# Altium PCB FC_RGB_Sion2.PcbDoc (continued)
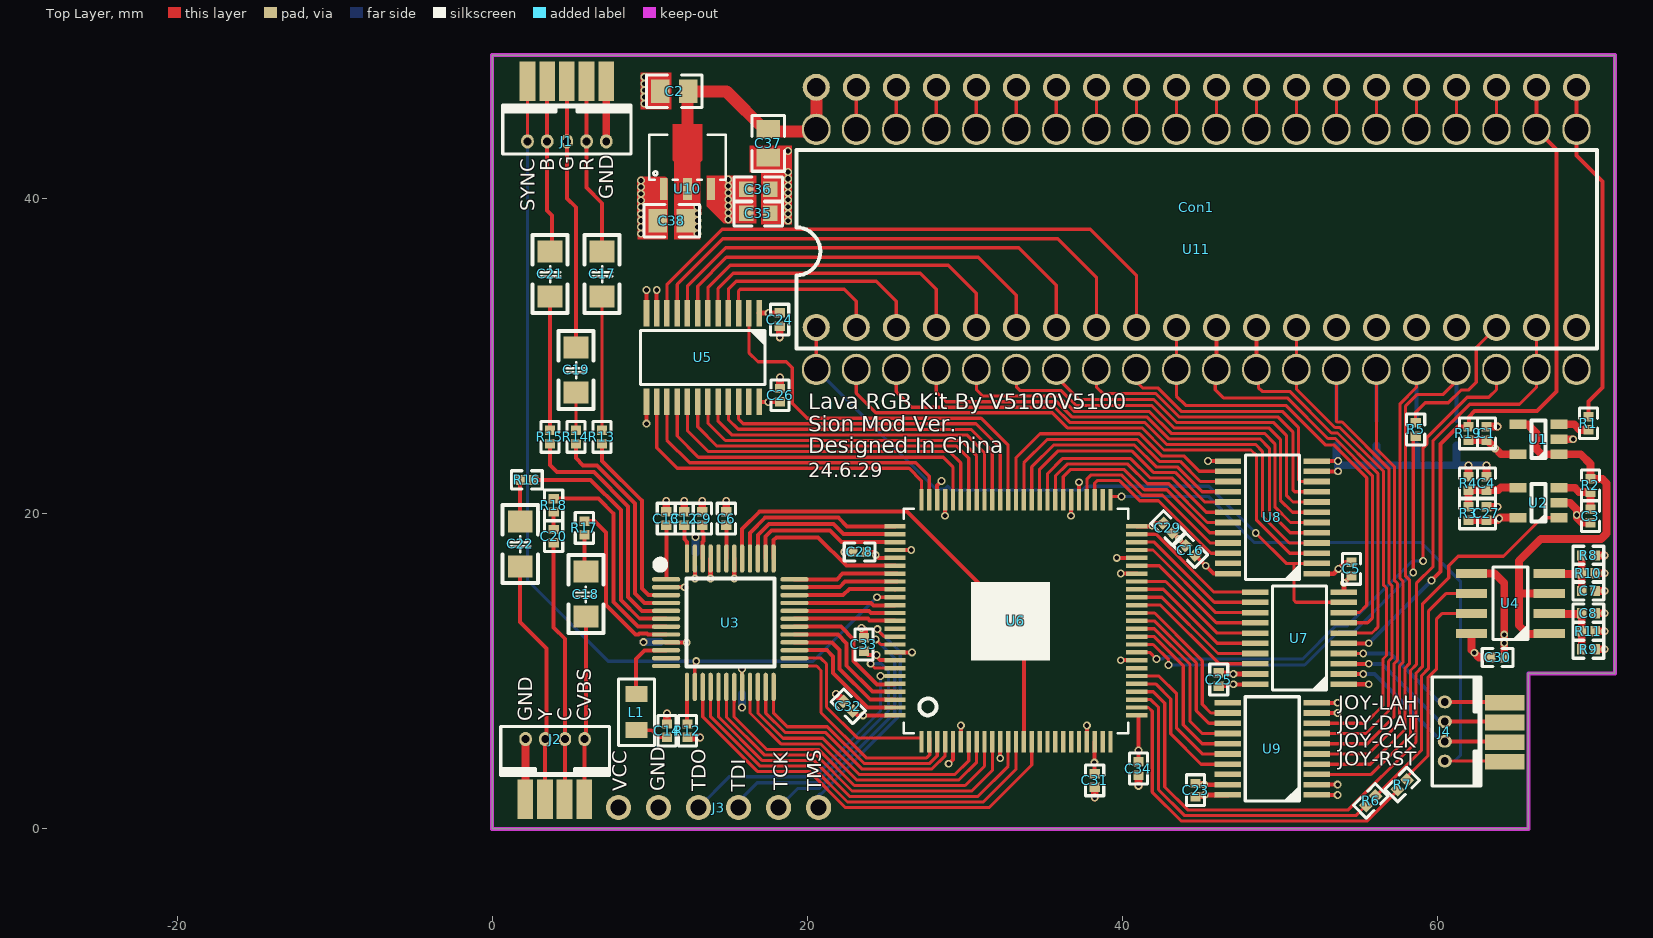
[diagram p0: Top Layer view]
## Part data
C1 C2 C3 C4 C7 C8 C10 C16 C23 C24 C25 C35 C36 C37 C38: library part CAP
C17 C18 C19 C21 C22: library part C1206, "No Description Available", Manufacturer_Part_Number=C0603X394K4RACAUTO, Mfr_Name=Kemet, Copyright="Copyright (C) 2022 Ultra Librarian. All rights reserved.", RefDes=RefDes, Type=DEV
J1: library part CN5
J2 J4: library part CN4
L1: library part L0805
R20 R21 R22 R23: library part R0603, "No Description Available", Manufacturer_Part_Number=RC0603FR-07200RL, Mfr_Name=Yageo, Copyright="Copyright (C) 2022 Ultra Librarian. All rights reserved.", RefDes=RefDes, Type=DEV
U1: "High Speed OpAmp"
U2: "High Speed Comparator"
U3: "No Description Available", Manufacturer_Part_Number=ADV7123JSTZ330, Mfr_Name="Analog Devices Inc", Copyright="Copyright (C) 2022 Ultra Librarian. All rights reserved.", RefDes=RefDes, Type=DEV
U4: "4.5ns Dual High-Speed Comparator"
U5 U8: library part 74LVC4245, "LJ245A", Mfr_Name="Texas Instruments", Copyright="Copyright (C) 2022 Ultra Librarian. All rights reserved.", Manufacturer_Part_Number=SN74LVC4245APWR, RefDes=RefDes, Type=DEV
U6: library part LCMXO2-1200HC, "No Description Available", Mfr_Name=Lattice, Copyright="Copyright (C) 2023 Ultra Librarian. All rights reserved.", Manufacturer_Part_Number=LCMXO2-1200HC-4TG100I, RefDes=RefDes, Type=DEV
U7 U9: library part 74LVC541, "LC541A", Mfr_Name="Texas Instruments", Copyright="Copyright (C) 2022 Ultra Librarian. All rights reserved.", Manufacturer_Part_Number=SN74LVC541APW, RefDes=RefDes, Type=DEV
U10: "No Description Available", Mfr_Name=Microchip, Copyright="Copyright (C) 2022 Ultra Librarian. All rights reserved.", Manufacturer_Part_Number=MCP1703T-3302E/MB, RefDes=RefDes, Type=DEV
U11: library part RP2C02, "NES PPU RP2C02"

## Free pads (board coordinates)
  rect 1x2.5 smd: B30(2.096,1.88) B30(2.239,47.449) B30(3.346,1.88) B30(3.489,47.449) B30(4.596,1.88) B30(4.739,47.449) B30(5.846,1.88) B30(5.989,47.449) B30(7.239,47.449)
  rect 2.5x1 smd: B30(64.275,4.25) B30(64.275,5.5) B30(64.275,6.75) B30(64.275,8)

## Via types
v1: diameter 0.5, hole 0.3, Top Layer to Bottom Layer, tented both sides, 132 vias

## Nets (pads, with @x,y where several pads share a name; then routed paths per layer and width w, separated by ;. In a path a pad name is that pad's centre, name@x,y a point inside that pad or via, vN(x,y) a via of type N, cw(c..) or ccw(c..) an arc to the next point about the centre after c; other vN are vias at no path point)
+3.3: C16.2 C23.2 C25.1 C26.1 C27.1 C28.1 C29.1 C30.1 C31.1 C32.1 C33.1 C34.1 C35.1 C36.1 J3.1 R3.2 R8.2 R9.2 U2.5 U4.8 U5.24 U6.5 U6.11 U6.23 U6.26 U6.46 U6.50 U6.55 U6.73 U6.80 U6.93 U6.100 U7.20 U8.24 U9.20 U10.3 | length 60.3
  Top Layer w0.254: 13.863,39.702 13.863,39.682 14.859,38.686 v1(14.986,38.686) v1@15.117,38.686 ; U10.3 13.892,40.005 13.716,39.829 13.716,39.575 14.732,38.559 15.24,38.559 ; 14.224,39.579 v1@15.117,38.686 ; 15.642,38.686 v1@15.117,38.686 ; U5.24@16.943,27.1 v1(17.525,27.1) C26.1 ; C32.1 23.175,7.2 v1(23.55,7.2) U6.100 ; C33.1 23.85,11.025 v1(24.401,11.025) 24.401,10.926 24.4,10.925 24.625,10.7 U6.93 ; C28.1 24.15,17.575 24.525,17.2 U6.80 ; U6.73 28.25,21.8 v1(28.525,22.075) ; v1(28.975,4.125) 29.25,4.4 U6.5 ; v1(32.25,4.475) U6.11 ; U6.55 v1(37.25,22) ; C31.1 U6.23 ; v1(39.65,17.2) U6.46 ; U6.26 41.025,7.102 C34.1 ; U6.50 41.875,19.2 42.076,19.401 C29.1 ; C16.2@44.551,17.449 C16.2 45.805,16.195 U8.24 ; C25.1 46.577,9.05 46.702,9.175 v1(47.05,9.175) U7.20
  Top Layer w0.3: C23.2 45.102,2.025 v1(45.227,2.15) U9.20
  Top Layer w0.5: R3.2 63.836,19.597 63.988,19.75 U2.5 ; U4.8 62.179,11.346 v1(62.35,11.175) 62.65,10.875 C30.1 ; R9.2 v1(70.625,11.398) ; R8.2 v1(70.625,17.357)
  PWR w0.5: J3.1 10.245,3.575 21.675,3.575 24.325,6.225
  other v1: 38.225,4.2 41.025,4.975 45.3,16.7 24.35,17.375 41.9,19.25 63.925,19.7 14.986,39.109 14.986,39.533 14.986,39.956 14.986,40.379 14.986,40.803 14.986,41.226
+5: C1.1 C2.1 C5.2 C10.1 C11.2 C15.2 C24.1 C37.1 C38.1 Con1.40 R12.1 R19.2 U1.5 U3.9 U3.20 U3.47 U5.1 U8.1 U10.2 U11.40 | length 171.4
  Top Layer w0.254: U3.9 v1(12.347,11.834) ; v1(12.863,15.887) U3.47 ; U3.20 v1(15.863,10.138)
  Top Layer w0.3: U5.1 16.953,32.75 v1(17.55,32.75) C24.1 ; U8.1 53.42,16.195 v1(53.725,16.5) 54.15,16.925 C5.2
  Top Layer w0.5: R12.1 v1(13.2,5.8) ; v1(13.025,39.045) v1(13.025,39.468) ; R19.2 63.143,24.679 v1(63.671,24.15) 64.046,23.775 64.275,23.775 ; 64.324,23.777 U1.5
  Top Layer w0.762: 12.392,42.122 12.392,46.802 14.871,46.802 17.399,44.274 U11.40@20.574,44.274 ; U11.40@20.574,44.406 Con1.40
  PWR w0.5: v1(12.347,11.834) 12.866,12.353 ; v1(13.2,5.8) 13.2,7.475 v1(15.863,10.138) 13.648,12.353 12.866,12.353 ; v1(17.55,32.75) 14,32.75 13.025,33.725 ; v1(53.725,16.5) 61.375,24.15 v1(63.671,24.15) 65.875,24.15 70.45,28.725 70.45,41.425 40.025,41.425 39.098,42.352 13.977,42.352 13.025,41.4 v1(13.025,39.468) v1(13.025,39.045) v1(13.025,38.622) v1(13.025,38.198) v1(13.025,37.775) 13.025,33.725 ; 12.866,12.353 12.866,15.884 v1(12.863,15.887) 8.725,20.025 8.725,29.425 13.025,33.725
  Bottom Layer w0.254: C11.2 12.33,11.85 v1(12.347,11.834) ; v1(12.863,15.887) 12.9,15.924 C15.2 ; C10.1 v1(15.863,10.138)
/RST: Con1.22 R19.1 U7.5 U11.22 | length 45.4
  Top Layer w0.203: R19.1@61.976,25.405 R19.1@61.976,25.737
  Top Layer w0.254: U7.5 v1(55.65,11.775) ; v1(59.625,15.768) 60.198,16.341 60.198,24.423 61.304,25.529 R19.1 ; R19.1@62,25.6 62,26.15 62.375,26.525 66.318,26.525 67.564,27.771 67.564,43.136 66.294,44.406 Con1.22
  Bottom Layer w0.254: v1@55.704,11.846 55.632,11.775 v1(59.625,15.768)
BOUT: C21.2 J1.4 pad.B30@3.489,47.449 | length 11.1
  Top Layer w0.254: pad.B30@3.489,47.449 J1.4 3.489,39.261 3.81,38.94 ; C21.2@3.802,36.47 3.802,38.94
COUT: C20.1 J2.3 pad.B30@4.596,1.88 | length 15.7
  Top Layer w0.254: C20.1 3.9,12.775 4.636,12.039 pad.B30@4.636,2.793
CPU_A0: Con1.12 U7.6 U11.12 | length 25.4
  Top Layer w0.2: U11.12@48.641,28.787 48.641,28.009 48.879,27.771 50.629,27.771 53.275,25.125 53.665,25.125 56.225,22.565 56.225,12.8 55.85,12.425 U7.6
  Top Layer w0.254: U11.12@48.514,29.166 Con1.12
CPU_A0_3V3: U6.45 U7.14 | length 9
  Top Layer w0.203: U6.45 42.35,16.7 45.975,13.075 U7.14
CPU_A1: Con1.11 U7.7 U11.11 | length 27.3
  Top Layer w0.2: U11.11@45.974,28.785 45.598,28.785 45.9,28.483 45.9,27.875 46.42,27.355 50.474,27.355 53.054,24.775 53.52,24.775 55.875,22.42 55.875,13.375 55.575,13.075 U7.7
  Top Layer w0.254: U11.11@45.974,29.166 Con1.11
CPU_A1_3V3: U6.47 U7.13 | length 9.4
  Top Layer w0.203: U6.47 41.95,17.7 45.925,13.725 U7.13 U7.13@48.725,13.725
CPU_A2: Con1.10 U7.8 U11.10 | length 28.3
  Top Layer w0.2: Con1.10 43.434,27.466 44.018,26.882 50.376,26.882 52.882,24.375 53.425,24.375 55.525,22.275 55.525,14.2 55.057,13.732 U7.8@54.069,13.732
CPU_A2_3V3: U6.48 U7.12 | length 9.1
  Top Layer w0.203: U6.48 42.025,18.2 45.85,14.375 U7.12
CPU_R/W: Con1.1 U7.9 U8.2 U11.1 | length 45.7
  Top Layer w0.203: U11.1@20.574,29.166 Con1.1 ; v1(48.475,18.775) 50.405,16.845 50.9,16.845 ; U8.2 50.9,16.845 ; U7.9@54.35,14.375 U7.9 51.025,14.375 50.9,14.5 50.9,16.845
  Bottom Layer w0.203: U11.1 28.162,21.573 28.733,21.573 28.909,21.75 29.161,21.498 37.458,21.498 37.709,21.75 45.5,21.75 v1(48.475,18.775)
CPU_R/W_3V3: U6.49 U7.11 | length 9
  Top Layer w0.2: U6.49 42.15,18.7 45.825,15.025 U7.11
CPU_SIDE_D0_3V3: U5.21 U6.66 | length 21.6
  Top Layer w0.203: U5.21 14.992,25.982 15.617,25.358 25.908,25.358 25.909,25.356 30.394,25.356 31.75,24 U6.66@31.75,21.127
CPU_SIDE_D0_5V: Con1.2 U5.3 | length 10.9
  Top Layer w0.203: U5.3 15.642,34.145 15.747,34.249 22.349,34.249 23.114,33.484 Con1.2
CPU_SIDE_D1_3V3: U5.20 U6.67 | length 21.7
  Top Layer w0.203: U5.20 14.342,25.873 15.212,25.003 30.122,25.003 31.25,23.875 U6.67@31.25,21.127
CPU_SIDE_D1_5V: Con1.3 U5.4 | length 14.6
  Top Layer w0.203: U5.4 14.992,34.254 15.493,34.754 24.384,34.754 25.654,33.484 Con1.3
CPU_SIDE_D2_3V3: U5.19 U6.68 | length 21.8
  Top Layer w0.203: U5.19 13.692,25.761 14.803,24.65 29.775,24.65 30.75,23.675 U6.68@30.75,21.127
CPU_SIDE_D2_5V: Con1.4 U5.5 | length 18.6
  Top Layer w0.203: U5.5 14.342,34.305 15.299,35.262 27.178,35.262 28.194,34.246 Con1.4
CPU_SIDE_D3_3V3: U5.18 U6.69 | length 22
  Top Layer w0.203: U5.18 13.042,25.522 14.268,24.297 29.478,24.297 30.25,23.525 U6.69@30.25,21.127
CPU_SIDE_D3_5V: Con1.5 U5.6 | length 22.1
  Top Layer w0.203: U5.6 13.692,34.351 15.112,35.77 28.956,35.77 30.734,33.992 Con1.5
CPU_SIDE_D4_3V3: U5.17 U6.70 | length 22.1
  Top Layer w0.203: U5.17 12.392,25.283 13.732,23.943 29.032,23.943 29.75,23.225 U6.70@29.75,21.127
CPU_SIDE_D4_5V: Con1.6 U5.7 | length 25.7
  Top Layer w0.203: U5.7 13.042,34.451 14.87,36.278 30.861,36.278 33.274,33.865 Con1.6
CPU_SIDE_D5_3V3: U5.16 U6.71 | length 22.3
  Top Layer w0.203: U5.16 11.742,24.936 13.088,23.59 28.635,23.59 29.25,22.975 U6.71@29.25,21.127
CPU_SIDE_D5_5V: Con1.7 U5.8 | length 29.8
  Top Layer w0.203: U5.8 12.392,34.448 14.827,36.882 18.288,36.882 33.432,36.882 35.814,34.5 Con1.7
CPU_SIDE_D6_3V3: U5.15 U6.74 | length 21.3
  Top Layer w0.203: U5.15 11.092,24.678 12.533,23.237 26.888,23.237 27.75,22.375 U6.74@27.75,21.127
CPU_SIDE_D6_5V: Con1.8 U5.9 | length 33.8
  Top Layer w0.203: U5.9 11.742,34.56 14.639,37.457 18.288,37.457 35.905,37.457 38.354,35.008 Con1.8
CPU_SIDE_D7_3V3: U5.14 U6.75 | length 21.6
  Top Layer w0.203: U5.14 10.442,24.185 11.743,22.884 26.466,22.884 27.25,22.1 U6.75@27.25,21.127
CPU_SIDE_D7_5V: Con1.9 U5.10 | length 37.6
  Top Layer w0.203: U5.10 11.092,34.545 14.604,38.056 18.288,38.056 37.973,38.056 40.894,35.135 Con1.9
CPU_SIDE_DIR: U5.2 U6.64 | length 26
  Top Layer w0.203: U5.2 16.292,30.233 16.875,29.65 18.675,29.65 19.05,29.275 19.05,27.009 19.995,26.064 26.201,26.064 26.202,26.063 31.037,26.063 32.75,24.35 U6.64@32.75,21.127
CPU_SIDE_OE: U5.22 U6.65 | length 21.5
  Top Layer w0.203: U5.22 15.642,26.006 15.938,25.711 26.054,25.711 26.056,25.709 30.716,25.709 32.25,24.175 U6.65@32.25,21.127
EXT0: R23.2 U9.7 U11.14 | length 31.9
  Top Layer w0.2: U9.7 55.475,6.05 56.9,7.475 56.9,10.63 57.125,10.855 57.125,15.433 56.925,15.633 56.925,22.855 53.955,25.825 53.641,25.825 53.594,25.872 U11.14@53.594,29.166
  Bottom Layer w0.254: R23.2 U11.14 U11.14@53.594,29.166
EXT0_3V3: U6.38 U9.13 | length 10.2
  Top Layer w0.203: U6.38 42.032,13.2 44.7,10.532 44.7,7.5 45.5,6.7 U9.13
EXT1: R22.2 U9.6 U11.15 | length 31.6
  Top Layer w0.2: U9.6 55.55,5.4 57.25,7.1 57.25,10.485 57.475,10.71 57.475,15.578 57.275,15.778 57.275,23 56.134,24.141 U11.15@56.134,29.166
  Bottom Layer w0.254: R22.2 U11.15 U11.15@56.134,29.166
EXT1_3V3: U6.37 U9.14 | length 10.6
  Top Layer w0.203: U6.37 42.032,12.7 44.3,10.432 44.3,6.825 45.075,6.05 U9.14
EXT2: R21.2 U9.5 U11.16 | length 32.7
  Top Layer w0.2: U9.5 55.625,4.75 57.6,6.725 57.6,10.34 57.825,10.565 57.825,15.723 57.625,15.923 57.625,26.963 58.674,28.012 U11.16 58.674,29.166 U11.16@58.674,28.912
  Bottom Layer w0.254: R21.2 U11.16 U11.16@58.674,29.166
EXT2_3V3: U6.36 U9.15 | length 10.8
  Top Layer w0.203: U6.36 42.033,12.2 43.875,10.358 43.875,6.6 45.075,5.4 U9.15
EXT3: R20.2 U9.4 U11.17 | length 35.2
  Top Layer w0.2: U9.4 55.75,4.1 57.95,6.3 57.95,10.195 58.225,10.47 58.225,15.818 57.975,16.068 57.975,26.818 58.732,27.575 60.383,27.575 61.214,28.406 U11.17@61.214,29.166
  Bottom Layer w0.254: R20.2 U11.17 U11.17@61.214,29.166
EXT3_3V3: U6.31 U9.16 | length 9.1
  Top Layer w0.203: U6.31 42.325,9.7 43.45,8.575 43.45,6.375 45.075,4.75 U9.16
EXT4: R6.1 U6.28 | length 20.9
  Top Layer w0.2: U6.28 41.816,8.2 42.3,7.716 42.3,2.484 43.934,0.85 54.85,0.85 R6.1
FC_RST: J4.1 pad.B30@64.275,4.25 U6.51 | length 41
  Top Layer w0.203: U6.51@39.25,21.127 39.277,21.1 v1(39.95,21.1) ; J4.1@60.637,4.296 pad.B30@64.979,4.296
  Bottom Layer w0.203: v1(39.95,21.1) 45.45,21.1 47.973,18.577 47.973,18.567 48.366,18.175 58.986,18.175 61.475,15.686 61.475,4.684 61.091,4.3 J4.1
GND: C1.2 C2.2 C3.1 C4.1 C5.1 C6.1 C7.1 C8.1 C9.1 C10.2 C11.1 C12.1 C13.2 C14.1 C15.1 C16.1 C23.1 C24.2 C25.2 C26.2 C27.2 C28.2 C29.2 C30.2 C31.2 C32.2 C33.2 C34.2 C35.2 C36.2 C37.2 C38.2 Con1.14 Con1.15 Con1.16 Con1.17 Con1.20 J1.1 J2.1 J3.2 pad.B30@2.096,1.88 pad.B30@7.239,47.449 R4.1 R10.1 R11.1 R20.1 R21.1 R22.1 R23.1 U1.2 U2.2 U3.2 U3.42 U3.45 U4.5 U5.11 U5.12 U5.13 U6.6 U6.22 U6.33 U6.44 U6.56 U6.72 U6.79 U6.92 U7.1 U7.10 U7.19 U8.11 U8.12 U8.13 U9.1 U9.2 U9.9 U9.10 U9.19 U10.1 U11.20 | length 102.2
  Top Layer w0.254: v1(9.792,25.717) U5.13 ; U5.12 v1(9.792,34.2) ; U5.11 v1(10.442,34.2) ; U3.2 v1(12.216,15.334) ; U6.92 v1(26.65,11.2) ; U6.79 v1(26.6,17.7) ; v1(28.75,19.875) U6.72 ; U6.6 v1(29.75,6.55) ; v1(36.75,19.875) U6.56 ; U6.22 v1(37.75,6.55) ; v1(39.9,10.7) U6.33 ; v1(39.9,16.2) U6.44 ; v1(45.445,23.345) U8.13 ; U9.1 v1(53.675,2.15) ; U9.2 v1(53.675,2.8) ; U9.9 v1(53.675,7.35) ; U9.10 v1(53.675,8) ; U8.11 v1(53.7,22.695) ; U8.12 v1(53.7,23.345)
  Top Layer w0.3: v1(13.863,15.9) U3.45 ; v1(15.363,15.9) U3.42 ; C29.2 v1(43.613,18.388) C16.1 ; C23.1 45.125,2.875 v1(45.2,2.8) U9.19 ; C25.2 46.6,9.9 46.675,9.825 v1(47.05,9.825) U7.19 ; U7.1 v1(55.65,9.175) ; U7.10 v1(54.069,15.594) C5.1
  Top Layer w0.5: pad.B30@2.116,1.65 J2.1 ; J1.1 pad.B30@7.239,47.449 ; v1(9.45,39.044) v1(9.45,39.467) v1(9.45,41.161) ; v1(9.45,40.737) v1(9.45,41.161) ; 9.725,39.4 9.725,41.172 U10.1@10.922,41.172 ; 10.55,39.35 10.625,39.425 ; C13.2 v1(11.049,20.825) ; C14.1 v1(11.1,7.325) ; C12.1 v1(12.192,20.825) ; C9.1 v1(13.335,20.825) ; C6.1 v1(14.859,20.825) ; v1(18.25,31.2) C24.2 ; C26.2 v1(18.275,28.65) ; v1(21.825,8.55) C32.2 ; v1(22.35,17.575) C28.2 ; v1(23.45,12.75) 23.6,12.6 C33.2 ; v1(38.25,1.975) C31.2 ; v1(41.025,2.725) C34.2 ; R4.1 v1(61.976,23.075) ; U4.5 63.636,16.214 64.25,15.6 v1(64.25,12.325) v1(64.25,11.8) C30.2 ; C27.2 v1(63.822,20.447) ; C4.1 v1(63.119,23.075) ; C1.2 v1(63.823,25.527) ; U2.2 68.425,20.7 68.85,20.275 v1(68.85,19.925) 68.85,19.75 69.175,19.425 C3.1 ; U1.2 v1(68.623,24.727) ; R11.1 v1(70.625,12.541) ; C8.1 v1(70.625,13.684) ; C7.1 v1(70.625,15.103) ; R10.1 v1(70.625,16.224) ; v1(9.45,41.161) 9.736,41.161 10.28,40.617 10.367,40.617 ; 10.367,40.617 U10.1@10.922,41.172 ; 10.367,40.617 10.625,40.617 ; 10.367,40.617 10.367,39.617 10.15,39.4 10.15,40.4 10.367,40.617 ; 10.625,39.425 10.892,39.692 ; 10.625,39.425 10.625,40.35 ; 10.625,40.35 10.625,40.617 ; 10.625,40.35 U10.1 ; 10.625,40.35 10.51,40.235 C38.2 10.892,38.982 10.892,39.692 ; 10.625,40.617 U10.1 ; 10.892,39.692 10.922,39.722 U10.1@10.922,40.647 ; 10.892,39.692 U10.1 ; U10.1 U10.1@10.922,40.647 ; U10.1@10.922,40.647 U10.1@10.922,41.172
  Bottom Layer w0.5: v1(9.6,11.85) C11.1 ; C15.1 v1(12.9,18.525) ; v1(15.851,7.7) 15.851,8.563 C10.2 ; R23.1 53.594,23.406 v1@53.7,23.3 ; v1(53.7,22.695) v1@53.7,23.3 ; v1(53.7,23.345) v1@53.7,23.3 ; R22.1 56.134,23.091 56.15,23.075 ; R21.1 58.674,23.076 58.675,23.075 ; R20.1 61.214,23.114 61.175,23.075 ; v1(63.119,23.075) v1(61.976,23.075) 61.175,23.075 ; v1@53.7,23.3 53.925,23.075 56.15,23.075 ; 56.15,23.075 58.675,23.075 ; 58.675,23.075 61.175,23.075
  other v1: 9.45,37.774 9.45,38.198 18.775,38.6 9.45,38.621 18.775,39.043 18.775,39.485 9.45,39.891 18.775,39.927 9.45,40.314 18.775,40.37 18.775,40.812 18.775,41.255 18.776,41.277 18.776,41.702 18.775,43.025 9.65,46.032 9.65,46.455 9.65,46.878 9.65,47.302 9.65,47.725
GOUT: C19.2 J1.3 pad.B30@4.739,47.449 | length 17.1
  Top Layer w0.254: pad.B30@4.739,47.449 J1.3 4.739,40.023 5.334,39.428 ; C19.2 5.326,39.428
JOY_CLK: J4.2 pad.B30@64.275,5.5 U7.2 | length 12.2
  Top Layer w0.254: U7.2 v1(55.3,9.825) ; J4.2@60.637,5.546 pad.B30@64.904,5.546
  Bottom Layer w0.254: v1(55.3,9.825) 56,9.825 J4.2@60.279,5.546
JOY_CLK_3V3: U6.40 U7.18 | length 9
  Top Layer w0.203: U6.40 42.425,14.2 46.15,10.475 U7.18
JOY_DATA: J4.3 pad.B30@64.275,6.75 U7.3 | length 11.8
  Top Layer w0.254: U7.3 v1(55.65,10.475) ; J4.3@60.637,6.796 pad.B30@64.854,6.796
  Bottom Layer w0.254: v1(55.65,10.475) 56.475,10.475 J4.3@60.154,6.796
JOY_DATA_3V3: U6.41 U7.17 | length 9
  Top Layer w0.203: U6.41 42.5,14.7 46.075,11.125 U7.17
JOY_LATCH: J4.4 pad.B30@64.275,8 U7.4 | length 11.5
  Top Layer w0.203: U7.4 v1(55.3,11.125)
  Top Layer w0.254: J4.4@60.637,8.046 pad.B30@64.829,8.046
  Bottom Layer w0.254: v1(55.3,11.125) 57.025,11.125 J4.4@60.104,8.046
JOY_LATCH_3V3: U6.42 U7.16 | length 8.9
  Top Layer w0.203: U6.42 42.6,15.2 46.025,11.775 U7.16
NetC3_2: C3.2 R2.1 U2.3 | length 3.2
  Top Layer w0.5: U2.3 68.73,21.65 69.005,21.375 R2.1 C3.2@69.723,20.275
NetC4_2: C4.2 R3.1 R4.2 U2.4 | length 4.3
  Top Layer w0.5: R3.1 R4.2 C4.2 63.869,21.502 64.04,21.673 65.098,21.673 U2.4
NetC6_2: C6.2 U3.43 | length 2.1
  Top Layer w0.254: U3.43 C6.2@14.863,19.307
NetC7_2: C7.2 R8.1 R10.2 U4.4 | length 5
  Top Layer w0.5: U4.4@66.472,16.184 R10.2@69.171,16.184 ; C7.2 R8.1@69.171,17.367
NetC8_2: C8.2 R9.1 R11.2 U4.2 | length 5
  Top Layer w0.5: U4.2@66.472,13.644 69.131,13.644 C8.2 R9.1
NetC9_2: C9.2 U3.46 | length 2.2
  Top Layer w0.254: U3.46 13.363,18.2 13.427,18.264 13.427,18.743 13.363,18.807 C9.2@13.363,19.307
NetC12_2: C12.2 U3.48 | length 2.2
  Top Layer w0.254: C12.2 12.192,18.383 12.363,18.212 U3.48
NetC13_1: C13.1 U3.1 | length 3.4
  Top Layer w0.254: U3.1@11.049,15.845 C13.1
NetC14_2: C14.2 L1.2 | length 2.1
  Top Layer w0.2: L1.2 10.118,6.257 10.575,5.8 C14.2
NetC17_1: C17.1 R13.2 | length 8.5
  Top Layer w0.203: R13.2 6.967,33.79 C17.1
NetC18_2: C18.2 R17.2 | length 2.4
  Top Layer w0.254: R17.2 5.85,16.425 C18.2
NetC19_1: C19.1 R14.2 | length 2.4
  Top Layer w0.203: R14.2 5.317,27.695 C19.1
NetC20_2: C20.2 R18.2 | length 1.1
  Top Layer w0.254: C20.2 R18.2
NetC21_1: C21.1 R15.2 | length 8.3
  Top Layer w0.254: R15.2@3.675,25.353 C21.1@3.675,33.673
NetC22_2: C22.2 R16.2 | length 2.6
  Top Layer w0.254: R16.2 1.775,19.511 C22.2
NetCon1_18: Con1.18 R5.1 | length 9.3
  Top Layer w0.2: R5.1 58.625,26.45 59.225,27.05 60.7,27.05 61.5,27.85 61.975,27.85 62.475,28.35 62.475,30.554 Con1.18
NetCon1_23: Con1.23 U11.23 | length 2.7
  Top Layer w0.203: U11.23@63.754,44.406 Con1.23
NetCon1_24: Con1.24 U11.24 | length 2.7
  Top Layer w0.203: U11.24@61.214,44.406 Con1.24
NetCon1_25: Con1.25 U11.25 | length 2.7
  Top Layer w0.203: U11.25@58.674,44.406 Con1.25
NetCon1_26: Con1.26 U11.26 | length 2.7
  Top Layer w0.203: U11.26@56.134,44.406 Con1.26
NetCon1_27: Con1.27 U11.27 | length 2.7
  Top Layer w0.203: U11.27@53.594,44.406 Con1.27
NetCon1_28: Con1.28 U11.28 | length 2.7
  Top Layer w0.203: U11.28@51.054,44.406 Con1.28
NetCon1_29: Con1.29 U11.29 | length 2.7
  Top Layer w0.203: U11.29@48.514,44.406 Con1.29
NetCon1_30: Con1.30 U11.30 | length 2.7
  Top Layer w0.203: U11.30@45.974,44.406 Con1.30
NetCon1_31: Con1.31 U11.31 | length 2.7
  Top Layer w0.203: U11.31@43.434,44.406 Con1.31
NetCon1_32: Con1.32 U11.32 | length 2.7
  Top Layer w0.203: U11.32@40.894,44.406 Con1.32
NetCon1_33: Con1.33 U11.33 | length 2.7
  Top Layer w0.203: U11.33@38.354,44.406 Con1.33
NetCon1_34: Con1.34 U11.34 | length 2.7
  Top Layer w0.203: U11.34@35.814,44.406 Con1.34
NetCon1_35: Con1.35 U11.35 | length 2.7
  Top Layer w0.203: U11.35@33.274,44.406 Con1.35
NetCon1_36: Con1.36 U11.36 | length 2.7
  Top Layer w0.203: U11.36@30.734,44.406 Con1.36
NetCon1_37: Con1.37 U11.37 | length 2.7
  Top Layer w0.203: U11.37@28.194,44.406 Con1.37
NetCon1_38: Con1.38 U11.38 | length 2.7
  Top Layer w0.203: U11.38@25.654,44.406 Con1.38
NetCon1_39: Con1.39 U11.39 | length 2.7
  Top Layer w0.203: U11.39@23.114,44.406 Con1.39
NetL1_1: L1.1 U3.10 | length 4.4
  Top Layer w0.254: L1.1@9.133,8.543 9.133,10.78 9.676,11.323 11.027,11.323 U3.10
NetR1_2: R1.2 U1.3 | length 2
  Top Layer w0.5: U1.3 67.723,25.68 68.696,25.68 69.058,25.318 R1.2
NetR2_2: R2.2 U1.1 U1.4 U4.1 U4.3 | length 25.3
  Top Layer w0.5: U1.4 65.725,25.677 66.294,25.108 66.294,24.092 66.609,23.777 U1.1 69.094,23.777 ; U4.1@66.472,12.374 65.726,12.374 65.179,12.921 65.179,15 ; U4.3 65.235,14.944 65.179,15 ; 69.1,23.775 69.723,23.152 R2.2 69.723,22.202 70.477,22.202 70.739,21.939 70.739,18.752 70.387,18.4 66.575,18.4 65.179,17.004 65.179,15
NetR6_2: R6.2 U4.6 | length 16.3
  Top Layer w0.2: R6.2@56.098,2.073 59,4.975 59,9.725 59.436,10.161 59.436,13.801 60.579,14.944 U4.6
NetR7_2: R7.2 U4.7 | length 13.4
  Top Layer w0.2: R7.2 58.076,3.296 59.4,4.621 59.4,9.585 59.944,10.129 59.944,13.293 60.325,13.674 U4.7
NetR12_2: R12.2 U3.13 | length 2.3
  Top Layer w0.254: R12.2@12.363,6.68 U3.13
NetR13_1: R13.1 U3.3 | length 12
  Top Layer w0.254: R13.1 6.967,23.358 9.5,20.825 9.5,15.261 9.927,14.834 U3.3
NetR14_1: R14.1 U3.4 | length 13.8
  Top Layer w0.254: R14.1 5.317,23.533 5.775,23.075 6.658,23.075 9.075,20.658 9.075,14.924 9.665,14.334 U3.4
NetR15_1: R15.1 U3.5 | length 15.9
  Top Layer w0.254: R15.1 3.667,23.108 4.125,22.65 6.447,22.65 8.625,20.472 8.625,14.725 9.516,13.834 U3.5
NetR16_1: R16.1 U3.6 | length 15.4
  Top Layer w0.254: R16.1 6.25,22.15 8.175,20.225 8.175,14.525 9.366,13.334 U3.6
NetR17_1: R17.1 U3.8 | length 10.9
  Top Layer w0.254: R17.1 6.5,19.525 7.225,18.8 7.225,14.2 9.091,12.334 9.288,12.334 9.357,12.402 9.823,12.402 9.891,12.334 U3.8
NetR18_1: R18.1 U3.7 | length 13.8
  Top Layer w0.254: R18.1 6.741,20.959 7.7,20 7.7,14.4 9.266,12.834 U3.7
NEW_CLK: U6.34 U11.18 | length 35.9
  Top Layer w0.2: v1(59.1,17) 59.1,24.2 59.35,24.45 59.35,24.85 61.9,27.4 63.275,27.4 63.754,27.879 U11.18
  Top Layer w0.203: U6.34 41.75,11.2 v1(42.175,10.775)
  Bottom Layer w0.203: v1(42.175,10.775) 42.55,10.775 42.701,10.926 43.174,10.926 43.323,10.777 51.453,10.777 53.554,12.878 54.278,12.878 58.4,17 v1(59.1,17)
NEW_VOUT_CS: J1.5 pad.B30@2.239,47.449 U3.14 U6.85 | length 60.5
  Top Layer w0.203: J1.5 pad.B30@2.239,47.449 ; U3.14 12.863,10.55 v1(12.954,10.641) ; v1(24.425,14.7) U6.85
  Bottom Layer w0.203: J1.5 2.239,39.956 2.239,15.773 7.37,10.641 v1(12.954,10.641) 20.366,10.641 v1(24.425,14.7)
PPU_CS: Con1.13 U9.8 U11.13 | length 31.4
  Top Layer w0.2: Con1.13 51.054,27.917 53.496,25.475 53.81,25.475 56.575,22.71 56.575,22.396 56.575,15.488 56.775,15.288 56.775,11 56.55,10.775 56.55,7.825 55.425,6.7 U9.8@52.3,6.7
PPU_CS_3V3: U6.39 U9.12 | length 10
  Top Layer w0.203: U6.39 42.05,13.7 44.725,11.025 44.725,11.006 45.075,10.656 45.075,7.9 45.625,7.35 U9.12
PPU_SIDE_D0_3V3: U6.54 U8.21 | length 11.9
  Top Layer w0.2: U6.54@37.75,21.127 37.75,22.2 38,22.45 39.975,22.45 41.25,21.175 42.55,21.175 45.58,18.145
  Top Layer w0.203: 45.58,18.145 U8.21
PPU_SIDE_D0_5V: U8.3 U11.2 | length 37.4
  Top Layer w0.2: U11.2@23.114,29.166 23.114,27.661 24.359,26.416 26.346,26.416 26.348,26.414 35.55,26.414 36.513,25.451 41.251,25.451 42.651,24.051 48.17,24.051 48.514,23.707 48.514,19.611 50.63,17.495 U8.3
PPU_SIDE_D1_3V3: U6.57 U8.20 | length 13.8
  Top Layer w0.2: U6.57 36.25,22.35 36.7,22.8 40.125,22.8 41.4,21.525 42.82,21.525 45.55,18.795
  Top Layer w0.203: 45.55,18.795 U8.20
PPU_SIDE_D1_5V: U8.4 U11.3 | length 34.5
  Top Layer w0.2: U11.3@25.654,29.166 25.654,27.746 26.636,26.764 35.695,26.764 36.658,25.801 41.41,25.801 42.81,24.401 48.455,24.401 48.895,23.961 48.895,19.855 50.605,18.145 U8.4
PPU_SIDE_D2_3V3: U6.58 U8.19 | length 14.1
  Top Layer w0.2: U6.58@35.75,21.127 35.75,22.4 36.5,23.15 40.35,23.15 41.6,21.9 42.95,21.9 45.405,19.445 45.425,19.445
  Top Layer w0.203: 45.425,19.445 U8.19
PPU_SIDE_D2_5V: U8.5 U11.4 | length 31.7
  Top Layer w0.2: U11.4@28.194,29.166 28.194,27.731 28.811,27.114 35.84,27.114 36.803,26.151 41.555,26.151 42.955,24.751 48.74,24.751 49.338,24.153 49.338,20.112 50.655,18.795 U8.5
PPU_SIDE_D3_3V3: U6.59 U8.18 | length 14.7
  Top Layer w0.2: U6.59@35.25,21.127 35.25,22.55 36.2,23.5 40.532,23.5 41.757,22.275 43.15,22.275 45.33,20.095 U8.18
PPU_SIDE_D3_5V: U8.6 U11.5 | length 28.7
  Top Layer w0.2: U11.5@30.734,29.166 30.734,27.891 31.161,27.464 35.985,27.464 36.948,26.501 41.7,26.501 43.1,25.101 49.025,25.101 49.688,24.438 49.688,20.437 50.68,19.445 U8.6
PPU_SIDE_D4_3V3: U6.60 U8.17 | length 15.5
  Top Layer w0.2: U6.60@34.75,21.127 34.75,22.825 35.9,23.975 40.627,23.975 41.977,22.625 43.355,22.625 45.235,20.745 U8.17
PPU_SIDE_D4_5V: U8.7 U11.6 | length 25.7
  Top Layer w0.2: U11.6@33.274,29.166 33.274,28.051 33.511,27.814 36.129,27.814 37.062,26.882 41.852,26.882 43.283,25.451 49.31,25.451 50.038,24.723 50.038,20.862 50.805,20.095 U8.7
PPU_SIDE_D5_3V3: U6.61 U8.16 | length 16.1
  Top Layer w0.2: U6.61@34.25,21.127 34.25,22.975 35.642,24.367 40.76,24.367 42.152,22.975 43.5,22.975 45.08,21.395 U8.16
PPU_SIDE_D5_5V: U8.8 U11.7 | length 22.5
  Top Layer w0.2: U11.7@35.814,29.166 35.814,28.686 37.237,27.263 41.979,27.263 43.441,25.801 49.595,25.801 50.419,24.977 50.419,21.167 50.841,20.745 U8.8
PPU_SIDE_D6_3V3: U6.62 U8.15 | length 16.8
  Top Layer w0.2: U6.62@33.75,21.127 33.75,23.227 35.24,24.717 40.96,24.717 42.352,23.325 43.675,23.325 44.955,22.045 U8.15
PPU_SIDE_D6_5V: U8.9 U11.8 | length 20
  Top Layer w0.2: U11.8@38.354,29.166 38.354,28.046 38.756,27.644 42.106,27.644 43.599,26.151 49.88,26.151 50.831,25.2 50.831,21.517 50.953,21.395 U8.9
PPU_SIDE_D7_3V3: U6.63 U8.14 | length 17.5
  Top Layer w0.2: U6.63@33.25,21.127 33.25,23.55 34.775,25.075 41.102,25.075 42.502,23.675 43.9,23.675 44.88,22.695 U8.14
PPU_SIDE_D7_5V: U8.10 U11.9 | length 16.8
  Top Layer w0.2: U11.9@40.894,29.166 40.894,28.381 41.281,27.994 42.251,27.994 43.744,26.501 50.165,26.501 51.181,25.485 51.181,22.183 51.319,22.045 U8.10
PPU_SIDE_OE: U6.53 U8.22 | length 11.3
  Top Layer w0.2: U6.53@38.25,21.127 38.25,21.95 38.4,22.1 39.83,22.1 41.105,20.825 42.3,20.825 45.63,17.495 45.835,17.495
  Top Layer w0.203: 45.835,17.495 U8.22
PPU_VOUT: Con1.21 R1.1 U11.21 | length 21.9
  Top Layer w0.254: Con1.21 68.834,42.755 70.485,41.104 70.485,28.025 69.596,27.136 R1.1@69.596,26.2
RGB_B0: U3.40 U6.76 | length 11.5
  Top Layer w0.254: U3.40 16.363,18.779 17.33,19.746 17.394,19.746 21.979,19.746 22.525,19.2 U6.76
RGB_B1: U3.39 U6.77 | length 10.7
  Top Layer w0.254: U3.39 16.863,18.644 17.562,19.342 21.658,19.342 22.301,18.7 U6.77
RGB_B2: U3.38 U6.78 | length 10.1
  Top Layer w0.254: U3.38 17.363,18.555 17.733,18.925 21.451,18.925 22.176,18.2 U6.78
RGB_B3: U3.37 U6.81 | length 9.7
  Top Layer w0.254: U3.37 17.863,18.33 18.033,18.5 20.68,18.5 22.48,16.7 U6.81@25.575,16.7
RGB_B4: U3.36 U6.82 | length 6.7
  Top Layer w0.254: U3.36 21.884,15.834 22.25,16.2 U6.82 U6.82@25.7,16.2
RGB_B5: U3.35 U6.83 | length 6.7
  Top Layer w0.254: U3.35 22.039,15.334 22.406,15.7 U6.83 U6.83@25.7,15.7
RGB_B6: U3.34 U6.84 | length 6.6
  Top Layer w0.203: U6.84@25.571,15.202 U6.84
  Top Layer w0.254: U3.34 22.284,14.834 22.677,15.227 25.546,15.227 U6.84@25.571,15.202
RGB_B7: U3.33 U6.86 | length 6.5
  Top Layer w0.254: U3.33 24.046,14.334 24.207,14.173 25.546,14.173 U6.86
RGB_G0: U3.32 U6.87 | length 6.4
  Top Layer w0.254: U3.32 23.916,13.834 24.05,13.7 U6.87
RGB_G1: U3.31 U6.88 | length 6.4
  Top Layer w0.254: U3.31 23.841,13.334 23.948,13.227 25.546,13.227 U6.88
RGB_G2: U3.30 U6.96 | length 8.7
  Top Layer w0.254: U3.30 22.146,12.834 22.95,12.03 22.95,10.655 24.432,9.173 25.546,9.173 U6.96
RGB_G3: U3.29 U6.97 | length 8.7
  Top Layer w0.254: U3.29 21.941,12.334 22.5,11.775 22.5,10.35 24.15,8.7 U6.97
RGB_G4: U3.28 U6.98 | length 8.6
  Top Layer w0.254: U3.28 21.566,11.834 22.05,11.35 22.05,10.15 24,8.2 U6.98
RGB_G5: U3.27 U6.99 | length 8.5
  Top Layer w0.254: U3.27 21.241,11.334 21.642,10.933 21.642,9.887 23.829,7.7 U6.99
RGB_G6: U3.26 U6.1 | length 11.8
  Top Layer w0.2: U3.26 20.857,10.834 21.225,10.466 21.225,7.725 23.177,5.773 U6.1@27.25,5.773
RGB_G7: U3.25 U6.2 | length 13.7
  Top Layer w0.2: U3.25 20.591,10.334 20.875,10.05 20.875,7.375 23.75,4.5 27.575,4.5 27.772,4.697 27.772,5.751 U6.2@27.75,5.773
RGB_R0: U3.24 U6.3 | length 14.7
  Top Layer w0.2: U3.24 17.863,7.337 18.725,6.475 21.28,6.475 23.605,4.15 27.775,4.15 28.25,4.625 U6.3@28.25,5.773
RGB_R1: U3.23 U6.4 | length 16
  Top Layer w0.2: U3.23 17.363,7.342 18.588,6.117 21.142,6.117 23.459,3.8 27.92,3.8 28.75,4.63 U6.4@28.75,5.773
RGB_R2: U3.22 U6.7 | length 18.5
  Top Layer w0.2: U3.22 16.863,7.347 18.46,5.75 20.984,5.75 23.284,3.45 29.382,3.45 30.25,4.318 U6.7@30.25,5.773
RGB_R3: U3.21 U6.8 | length 19.8
  Top Layer w0.2: U3.21 16.363,7.352 18.323,5.392 20.842,5.392 23.134,3.1 29.625,3.1 30.75,4.225 U6.8@30.75,5.773
RGB_R4: U3.19 U6.9 | length 21.7
  Top Layer w0.2: U3.19 15.35,8.995 15.35,8.355 15.363,8.342 15.363,8.045 15.35,8.032 15.35,7.105 17.413,5.042 20.697,5.042 22.989,2.75 30.025,2.75 31.25,3.975 U6.9
RGB_R5: U3.18 U6.10 | length 23.1
  Top Layer w0.2: U3.18 14.863,7.097 17.268,4.692 20.552,4.692 22.844,2.4 30.45,2.4 31.75,3.7 U6.10
RGB_R6: U3.17 U6.12 | length 24.7
  Top Layer w0.2: U3.17 14.363,7.102 17.123,4.342 20.407,4.342 22.699,2.05 30.825,2.05 32.75,3.975 U6.12
RGB_R7: U3.16 U6.13 | length 26.1
  Top Layer w0.2: U3.16 13.863,7.107 16.978,3.992 20.262,3.992 22.554,1.7 31.175,1.7 33.25,3.775 U6.13
RGB_VCLK: U3.41 U6.14 | length 30.5
  Top Layer w0.254: U3.41 15.863,19.03 16.984,20.15 26.325,20.15 33.75,12.725 U6.14
ROUT: C17.2 J1.2 pad.B30@5.989,47.449 | length 11.3
  Top Layer w0.254: pad.B30@5.989,47.449 J1.2 5.989,40.698 6.985,39.702 ; C17.2@6.977,36.523 C17.2 6.977,39.702
RST_3V3: U6.43 U7.15 | length 8.9
  Top Layer w0.203: U6.43 42.75,15.7 46.025,12.425 U7.15
SRC_CLK: R5.2 U6.35 | length 29.4
  Top Layer w0.2: v1(58.475,16.275) 58.475,24.775 R5.2
  Top Layer w0.203: U6.35 41.959,11.7 42.939,10.721 v1(42.939,10.4)
  Bottom Layer w0.203: v1(42.939,10.4) 51.575,10.4 53.7,12.525 54.725,12.525 v1(58.475,16.275)
SUBCARRIER: U3.15 U6.15 | length 27.8
  Top Layer w0.2: U3.15 13.363,7.112 16.833,3.642 20.117,3.642 22.409,1.35 31.55,1.35 34.25,4.05 U6.15
TCK: J3.5 U6.91 | length 16.4
  Top Layer w0.203: v1(24.35,12.025) 24.675,11.7 U6.91
  Bottom Layer w0.203: J3.5 19.38,2.55 20.725,2.55 25.55,7.375 25.55,10.825 v1(24.35,12.025)
TDI: J3.4 U6.94 | length 17.8
  Top Layer w0.203: v1(24.025,10.475) 24.3,10.2 24.441,10.2 24.442,10.202 25.571,10.202 U6.94
  Bottom Layer w0.203: J3.4 15.64,1.74 16.825,2.925 20.6,2.925 25.152,7.477 25.152,10.023 24.7,10.475 v1(24.025,10.475)
TDO: J3.3 U6.95 | length 17.2
  Top Layer w0.2: v1(24.65,9.7) U6.95
  Bottom Layer w0.2: J3.3 15.05,3.3 20.475,3.3 24.65,7.475 v1(24.65,9.7)
TMS: J3.6 U6.90 | length 15.5
  Top Layer w0.203: v1(24.45,12.675) 24.45,12.648 24.898,12.2 U6.90
  Bottom Layer w0.2: J3.6 20.72,2.145 20.773,2.198 20.871,2.198 25.902,7.229 25.902,11.223 v1(24.45,12.675)
VBL: Con1.19 U9.3 U11.19 | length 38
  Top Layer w0.2: U9.3 55.8,3.45 58.3,5.95 58.3,10.05 58.674,10.424 58.674,15.579 59.73,16.635 59.73,24.63 62.05,26.95 65.219,26.95 66.294,28.025 Con1.19
VBL_3V3: U6.30 U9.17 | length 9.2
  Top Layer w0.2: U6.30 42.116,9.2 43.077,8.239 43.077,6.023 45,4.1 U9.17
VOUT: C18.1 J2.4 pad.B30@5.846,1.88 | length 11.1
  Top Layer w0.254: C18.1@5.7,13.275 C18.1@5.95,13.025 ; pad.B30@5.866,2.773 J2.4 5.95,5.778 C18.1@5.95,13.025 ; C18.1 C18.1@5.95,13.025
VOUT_BLK: R7.1 U6.27 | length 23.1
  Top Layer w0.2: U6.27 41.666,7.7 41.9,7.466 41.9,2.325 43.725,0.5 55.55,0.5 R7.1@57.325,2.275
VOUT_CS: U2.1 U6.29 | length 46
  Top Layer w0.2: U6.29 41.966,8.7 42.7,7.966 42.7,2.65 44.15,1.2 54.35,1.2 58.65,5.5 58.65,9.875 59.05,10.275 59.05,14.25 60.725,15.925 60.725,16.7 61.325,17.3 64.2,17.3 66.65,19.75 U2.1
YOUT: C22.1 J2.2 pad.B30@3.346,1.88 | length 14.6
  Top Layer w0.254: C22.1 1.778,13.122 3.45,11.45 3.45,5.778 J2.2 pad.B30@3.366,2.773
pads on no net: U3.11 U3.12 U3.44 U5.23 U6.16 U6.17 U6.18 U6.19 U6.20 U6.21 U6.24 U6.25 U6.32 U6.52 U6.89 U8.23 U9.11 U9.18

## Polygon pours and split planes (outlines as drawn)
GND on GND "GND-GND" (solid, pour order 7): 0,49.119 0,0 65.804,0 65.804,9.864 71.065,9.864 71.3,10.099 71.3,49.325
GND on GND "NONET_L02_P001" (solid, shelved, pour order 1): -26.815,-1.451 ccw(c-24.281,-1.445) -24.278,-3.98 68.674,-3.971 ccw(c68.674,-3.844) 68.674,-3.971 ccw(c68.668,-1.271) 71.367,-1.271 ccw(c68.668,-1.271) 71.367,-1.269 71.377,46.929 cw(c71.239,46.929) 71.377,46.929 ccw(c69.055,46.924) 69.053,49.245 -24.268,49.249 cw(c-24.268,49.123) -24.268,49.249 ccw(c-24.262,46.713) -26.798,46.711 -26.815,-1.451 ccw(c-26.692,-1.451)
+3.3 on PWR "PWR-+3.3" (solid, pour order 5): 14.25,41.825 13.55,41.125 13.55,33.825 14.175,33.2 17.85,33.2 17.85,32.325 16.2,30.675 16.2,11.475 27.675,0 65.804,0 65.804,9.864 71.276,9.864 71.276,27.674 71.2,27.75 42.8,27.75 42.05,28.5 42.05,40.379 39.696,40.379 38.275,41.8

## Keep-outs
Keep-Out Layer:
  lines w0.254: 0,0 0,49.119 71.276,49.116 71.276,9.864 65.804,9.864 65.804,0 0,0

## Other copper
Top Layer:
  rectangle net +5: 11.55,37.4 13.225,43.05
  rectangle net GND: 9.225,37.417 11.175,39.742
  rectangle net GND: 9.425,45.675 11.375,48
  rectangle net GND: 16.325,41.65 17.775,43.375
  rectangle net GND: 17.075,38.35 19.025,43.375
  rectangle net +3.3: 14.363,38.813 15.117,39.956
  rectangle net +3.3: 15.113,38.432 16.764,39.829
  rectangle net +3.3: 13.589,39.575 16.764,41.48

## Silkscreen, mask and mechanical layers (free items; w line width, h text height)
Top Overlay:
  rectangle: 30.4,10.675 35.4,15.675
  text "B" at 3.939,41.734 h0.9 r90
  text "G" at 5.189,41.734 h0.9 r90
  text "R" at 6.439,41.734 h0.9 r90
  text "GND" at 7.689,39.956 h0.9 r90
  text "SYNC" at 2.689,39.194 h0.9 r90
  text "Lava RGB Kit By V5100V5100" at 20.066,26.619 h1
  text "Sion Mod Ver." at 20.066,25.198 h1
  text "Designed In China" at 20.066,23.827 h1
  text "24.6.29" at 20.066,22.303 h0.9
  text "JOY-LAH" at 53.706,7.571 h0.9
  text "Y" at 3.796,6.904 h0.9 r90
  text "GND" at 2.546,6.837 h0.9 r90
  text "C" at 5.046,6.837 h0.9 r90
  text "CVBS" at 6.296,6.837 h0.9 r90
  text "JOY-DAT" at 53.706,6.301 h0.9
  text "JOY-CLK" at 53.706,5.158 h0.9
  text "JOY-RST" at 53.706,4.015 h0.9
  text "TCK" at 18.75,2.45 h0.9 r90
  text "VCC" at 8.55,2.375 h0.9 r90
  text "GND" at 10.949,2.375 h0.9 r90
  text "TDO" at 13.55,2.375 h0.9 r90
  text "TMS" at 20.875,2.375 h0.9 r90
  text "TDI" at 16.05,2.35 h0.9 r90
Mechanical 1:
  the board outline again, w0.254

## Text inside footprints (layer, text, board x,y; h text height)
U6: Mechanical 13 "*" at 27.635,6.266 h1.27 r90